# KiCad board VLT.kicad_pcb (continued)
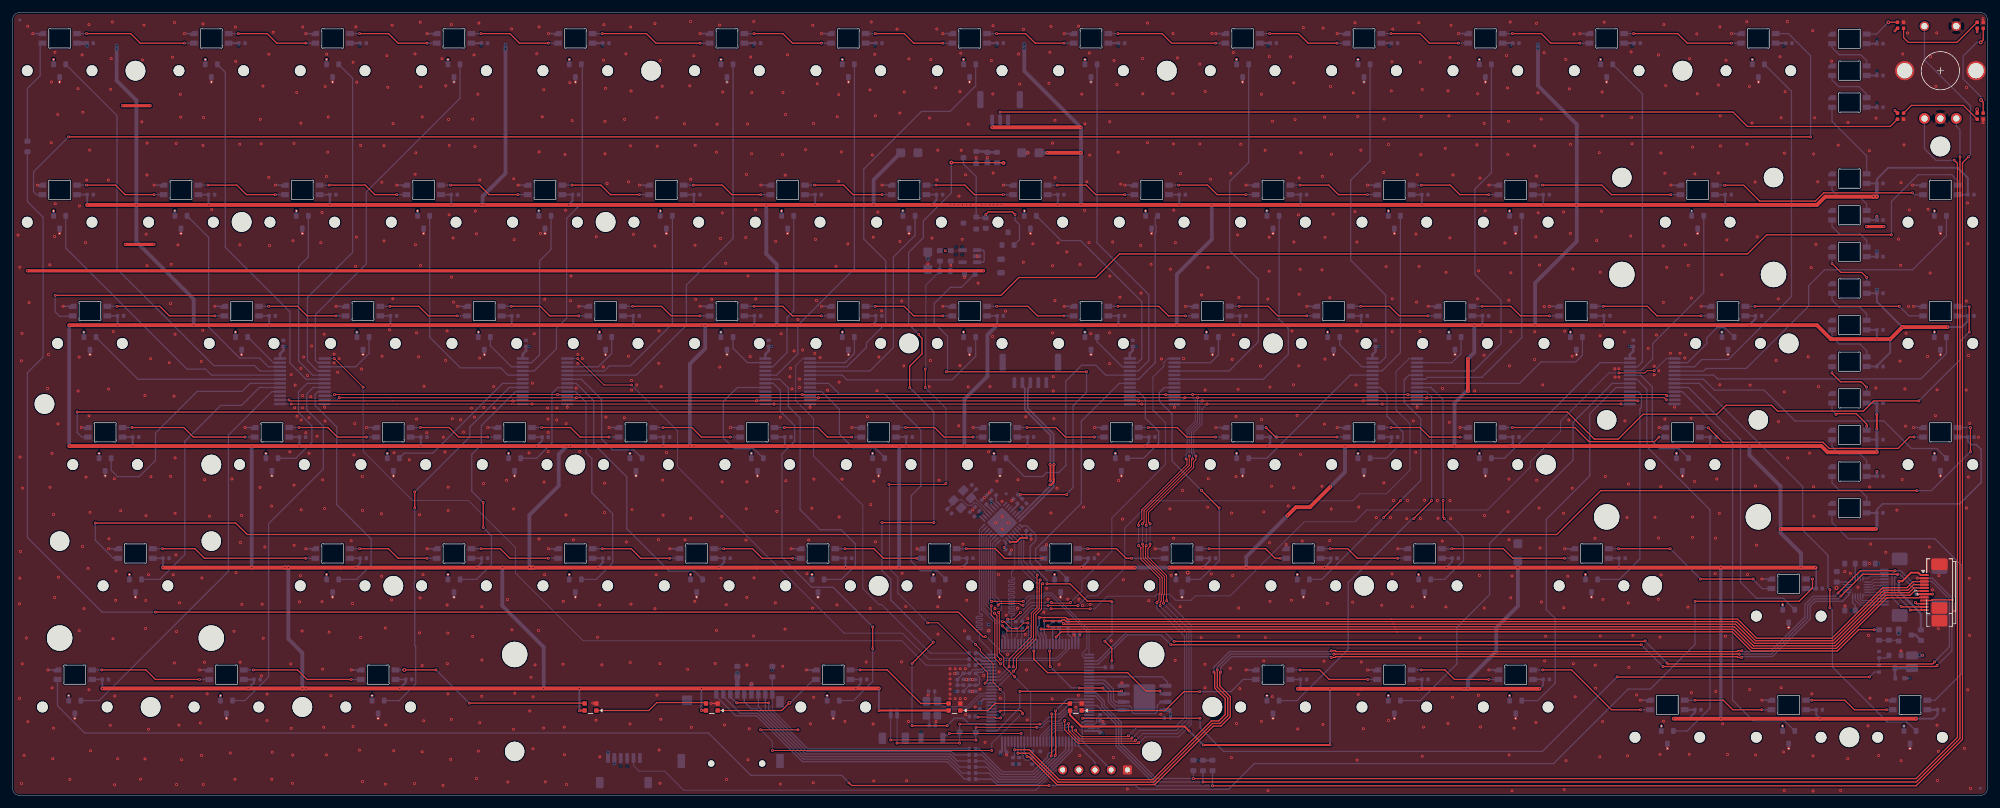
[diagram p0: board, top side]
## Routing (per net, layer and track width the routed paths; a pad name or vN(x,y) marks a point on that pad's centre or on a via; arc(x,y) is an arc through that point) (continued)
/MUX_COM6: length 122
  Top w0.15: v1(257.71,66.74) 256.61,66.74 256.26,66.39 v1(252.16,66.39) ; v1(163.02,29.31) v1(169.16,29.31)
  Bottom w0.15: v1(252.16,66.39) 250.61,66.39 243.01,58.79 243.01,57.19 238.26,52.44 238.26,51.6 231.5,44.84 212.59,44.84 210.74,42.99 202.77,42.99 191.13,31.35 185.67,31.35 184.97,30.65 182.6,30.65 181.66,31.59 179.66,31.59 179.36,31.29 171.84,31.29 169.87,29.31 v1(169.16,29.31) ; v1(163.02,29.31) 162.75,29.31 160.09,29.31 158.49,27.71 R21.2 ; M6.1 259.62,68.65 v1(257.71,66.74)
/MUX_S0: length 301
  Top w0.15: v1(184.21,52.86) 184.36,52.72 184.36,51.99 177.26,44.89 177.26,43.39 176.76,42.89 v1(176.76,42.44) ; v1(259.7,62.8) 259.51,62.99 v1(219.01,62.99) v1(181.01,62.99) v1(85.51,62.99) 58.41,62.99 58.66,62.99 v1(50.51,62.99) ; v1(166.89,10.24) 166.89,10.11 167.79,9.21 175.24,9.21 175.26,9.24 175.26,9.26 v1(175.16,9.36) ; v1(176.76,39.24) 177.11,38.89 177.11,38.88 177.11,37.09 180.11,34.09 180.11,31.82 179.96,31.67 179.96,30.69 179.64,30.36 v1(179.64,30.29)
  Bottom w0.15: v1(184.21,52.86) 184.21,53.13 184.21,53.13 184.21,53.54 184.36,53.69 184.36,57.48 185.66,58.78 185.66,62.13 185.26,62.53 v1(185.26,62.99) ; M5.10 219.2,62.8 v1(219.01,62.99) ; v1(85.51,62.99) 85.7,62.8 M2.10 ; v1(123.93,62.99) 124.12,62.8 M3.10 ; v1(166.89,10.24) 163.74,10.24 162.81,9.31 U3.85 ; v1(179.64,30.29) 179.63,30.28 179.63,29.32 183.96,24.99 183.96,12.18 182.41,10.64 176.44,10.64 v1(175.16,9.36) ; v1(259.7,62.8) M6.10 ; M1.10 50.32,62.8 v1(50.51,62.99) ; v1(176.76,42.44) v1(176.76,39.24) ; M4.10 181.21,62.79 v1(181.01,62.99)
/MUX_S1: length 302
  Top w0.15: v1(166.34,10.76) 166.34,10.08 167.56,8.86 175.66,8.86 175.81,9.01 ; v1(177.36,39.49) 177.46,39.39 177.46,39.03 177.46,37.23 180.46,34.24 180.46,31.68 180.31,31.53 180.31,30.54 180.16,30.39 180.16,29.79 v1(180.15,29.79) ; v1(184.71,53.34) 184.71,51.83 184.56,51.69 184.56,51.69 177.61,44.74 177.61,42.94 v1(177.36,42.69) ; v1(51.26,62.49) v1(88.51,62.49) v1(184.01,62.49) v1(186.01,62.49) v1(222.01,62.49) 259.26,62.49 v1(259.6,62.15)
  Bottom w0.15: v1(51.26,62.49) 50.92,62.15 M1.11 ; v1(180.15,29.79) 180.15,29.71 184.31,25.55 184.31,11.83 182.67,10.19 176.99,10.19 175.81,9.01 ; v1(259.6,62.15) M6.11 ; v1(184.01,62.49) 183.67,62.14 M4.11 ; M2.11 88.17,62.15 v1(88.51,62.49) ; v1(222.01,62.49) 221.67,62.15 M5.11 ; v1(166.34,10.76) 165.97,10.76 165.97,10.76 165.56,10.76 165.38,10.59 163.59,10.59 162.31,9.31 U3.86 ; M3.11 126.16,62.15 v1(126.5,62.49) ; v1(186.01,62.49) 186.01,58.63 184.71,57.33 v1(184.71,53.34) ; v1(177.36,39.49) v1(177.36,42.69)
  vias: v1(175.71,9.01)
/MUX_S2: length 305.5
  Top w0.15: v1(185.21,52.89) 185.06,52.74 185.06,51.69 177.96,44.59 v1(177.96,42.44) ; v1(43.35,62.15) 43.51,61.99 v1(78.51,61.99) v1(116.76,61.99) v1(176.76,61.99) v1(186.76,61.99) v1(212.01,61.99) v1(255.16,61.99) ; v1(165.76,11.26) 165.76,10.16 165.99,9.94 165.99,9.93 167.41,8.51 176.29,8.51 176.36,8.57 176.36,8.66 ; v1(180.66,30.19) 180.66,31.38 180.81,31.53 180.81,34.38 177.86,37.33 177.86,39.14 v1(177.96,39.24)
  Bottom w0.15: v1(186.76,61.99) 186.36,61.59 186.36,58.49 185.06,57.19 185.06,53.69 185.21,53.54 185.21,52.89 v1(185.21,52.89) ; v1(255.16,61.99) 255,62.15 M6.14 ; v1(116.76,61.99) 116.92,62.15 M3.14 ; U3.87 161.81,9.31 163.45,10.94 165.24,10.94 165.41,11.11 165.61,11.11 v1(165.76,11.26) ; M4.14 176.61,62.14 v1(176.76,61.99) ; M5.14 212.17,62.15 v1(212.01,61.99) ; M2.14 78.92,62.15 78.76,61.99 v1(78.51,61.99) ; v1(177.96,42.44) v1(177.96,39.24) ; v1(180.66,30.19) 180.66,30.11 184.66,26.11 184.66,11.47 182.88,9.69 177.38,9.69 176.36,8.66 ; v1(43.35,62.15) M1.14
  vias: v1(176.26,8.66)
/MUX_S3: length 305
  Top w0.15: v1(178.56,39.49) 178.56,39.13 178.21,38.78 178.21,37.48 181.16,34.53 181.16,30.6 v1(181.18,30.58) ; v1(165.16,11.76) 165.16,10.29 165.41,10.04 165.41,10.02 165.64,9.79 165.64,9.79 167.26,8.16 175.46,8.16 176.56,8.16 176.73,8.32 176.88,8.18 176.88,8.27 ; v1(185.76,53.34) 185.76,52.73 185.41,52.38 185.41,51.54 178.31,44.44 178.31,42.94 v1(178.56,42.69) ; v1(43.72,61.49) 78.3,61.49 v1(81.51,61.49) v1(119.51,61.49) v1(177.26,61.49) v1(187.51,61.49) v1(215.01,61.49) v1(252.51,61.49)
  Bottom w0.15: v1(178.56,42.69) v1(178.56,39.49) ; v1(43.72,61.49) 43.71,61.5 M1.13 ; 185.71,53.32 185.56,53.47 185.56,53.69 185.41,53.84 185.41,57.04 186.71,58.34 186.71,60.69 v1(187.51,61.49) ; M6.13 252.86,61.5 252.85,61.49 v1(252.51,61.49) ; 175.39,61.49 v1(177.26,61.49) ; M3.13 119.5,61.5 v1(119.51,61.49) ; v1(81.51,61.49) 80.07,61.49 ; U3.88 161.31,9.3 163.3,11.29 164.69,11.29 v1(165.16,11.76) ; v1(181.18,30.58) 181.18,30.54 185.01,26.71 185.01,11.14 183.06,9.19 177.8,9.19 176.88,8.27 ; v1(215.01,61.49) 215,61.5 M5.13
  vias: v1(176.78,8.27)
/NRST: length 105.2
  Top w0.15: v1(151.54,12.26) 151.57,12.3 154.2,12.3 154.39,12.11 155.02,12.11 155.07,12.15 v1(155.1,12.15) ; v1(151.15,23.72) 151.91,22.96 151.91,22.66 153.91,20.66 153.91,17.76 v1(155.06,16.61)
  In1.Cu w0.15: v1(155.1,12.15) 155.1,12 163.11,3.99 164.55,3.99
  Bottom w0.15: v1(151.15,23.72) 150.66,24.21 150.59,24.21 TP3.1 ; U3.14 v1(155.06,16.61) 155.71,15.96 155.71,12.77 v1(155.1,12.15) ; C27.2 151.41,12.39 v1(151.54,12.26) ; J7.2 97.46,4.69 98.36,3.79 102.36,3.79 105.36,0.79 160.6,0.79 163.8,3.99 J2.5
/NTC: length 86
  Top w0.15: v1(152.65,17.61) 153.06,18.03 153.06,19.31 145.26,27.11 v1(143.64,27.11) ; v1(146.51,49.01) 146.36,48.86 v1(137.56,48.86) ; v1(143.26,66.99) v1(143.26,64.09)
  Bottom w0.15: v1(143.26,64.09) 146.54,60.81 146.54,49.04 v1(146.51,49.01) ; v1(143.26,66.99) 143.36,67.09 143.36,80.19 145.54,82.36 ; v1(143.64,27.11) 138.96,31.79 138.96,34.29 137.66,35.59 137.66,48.76 v1(137.56,48.86)
  Bottom w0.2: R29.2 145.56,82.41 ; U3.16 v1(152.65,17.61)
/QSPI_CLK: length 25.6
  Top w0.2: v1(180.11,16.39) 177.91,16.39 175.04,19.26 162.47,19.26 160.31,21.42 v1(160.31,22.69)
  Bottom w0.2: v1(180.11,16.39) 180.55,15.95 U2.6 ; v1(160.31,22.69) U3.36
/QSPI_CS: length 18.4
  Top w0.2: v1(162.79,22.69) 162.81,22.66 162.81,20.31 v1(162.89,20.23) ; v1(167.44,16.89) 167.46,16.86 v1(171.17,16.86)
  Bottom w0.2: U2.1 173.31,13.41 172.01,14.71 172.01,16.06 171.21,16.86 v1(171.17,16.86) ; U3.41 162.79,23.76 v1(162.79,22.69) ; v1(167.44,16.89) 166.23,16.89 v1(162.89,20.23)
/QSPI_IO0: length 13.2
  Bottom w0.2: U2.5 181.28,17.8 180.46,18.61 168.99,18.61
/QSPI_IO1: length 7.5
  Bottom w0.2: 168.99,18.11 171.36,18.11 172.81,16.66 172.81,15.04 173.17,14.68 U2.2
/QSPI_IO2: length 25
  Top w0.2: v1(174.1,16.39) 174.05,16.34 v1(158.11,16.34)
  Bottom w0.2: U3.1 154.49,10.11 158.11,13.74 v1(158.11,16.34) ; v1(174.1,16.39) U2.3
/QSPI_IO3: length 16.7
  Bottom w0.2: U2.7 180.25,14.68 179.69,14.11 179.69,13.18 179.37,12.86 176,12.86 175.66,13.2 175.66,13.71 175.32,14.05 173.23,14.05 172.41,14.87 172.41,16.36 171.16,17.61 168.99,17.61
/R:E12: length 2.6
  Bottom w0.2: U3.42 163.26,23.84 163.26,26.25 R6.1
/R:E14: length 2.6
  Bottom w0.2: R8.1 164.36,26.25 164.36,23.84 U3.44
/RGB_GATE: length 130
  Top w0.2: v1(144.54,24.06) v1(141.19,20.71) ; v3(155.56,99.39) 155.51,99.44 v3(147.36,99.44) ; v1(146.71,10.94) v1(141.19,10.94) ; v1(144.61,42.86) v1(136.46,42.86) ; v1(142.24,72.46) 142.24,72.36 142.76,71.83 142.76,69.39 140.81,67.44 140.81,64.09 v1(140.84,64.06)
  Bottom w0.2: v1(142.24,72.46) 140.66,74.03 140.66,85.34 142.96,87.64 142.96,90.29 147.36,94.69 v3(147.36,99.44) ; v1(141.19,10.94) v1(141.19,20.71) ; U3.3 152.8,11.11 152.65,11.26 150.11,11.26 149.26,12.11 147.89,12.11 v1(146.71,10.94) ; v1(144.54,24.06) 144.49,24.06 137.86,30.69 137.86,33.94 136.46,35.34 v1(136.46,42.86) ; v3(155.56,99.39) 154.54,99.39 ; v1(144.61,42.86) 144.61,60.29 v1(140.84,64.06)
/S.CLK: length 40.8
  Bottom w0.2: R32.2 148.68,4.44 147.03,6.08 124.32,6.08 116.79,13.61 115.94,13.61 114.86,14.69 SD1.5
/S.CMD: length 42
  Top w0.2: v1(118.69,14.54) v1(113.66,14.54)
  Bottom w0.2: v1(118.69,14.54) 118.69,13.41 124.8,7.3 R31.2 ; v1(113.66,14.54) 113.61,14.54 112.66,15.49 SD1.3
/S.D0: length 38.7
  Bottom w0.2: R33.2 148.3,5.39 147.2,6.49 124.48,6.49 117.06,13.9 SD1.7
/S.D1: length 37.5
  Bottom w0.2: SD1.8 118.16,14.76 118.16,13.37 124.65,6.89 147.36,6.89 147.9,6.35 R34.1
/S.D2: length 45.5
  Bottom w0.2: SD1.1 110.46,15.54 113.51,12.49 116.78,12.49 123.98,5.28 146.7,5.28 149.44,2.54 R35.1
/S.D3: length 44
  Bottom w0.2: R30.2 149.06,3.49 146.87,5.68 124.15,5.68 116.95,12.89 114.21,12.89 111.56,15.54 SD1.2
/SD_CARD: length 68.1
  Top w0.15: v1(153.71,7.04) v1(119.26,7.04) ; v1(117.39,10.29) v1(123.29,10.29)
  Top w0.2: v1(158.56,12.8) 158.56,12.96 158.2,13.33 155.1,13.33 v1(154.99,13.21)
  Bottom w0.15: SD1.CD1 119.26,13.41 122.38,10.29 v1(123.29,10.29) ; v1(119.26,7.04) 119.26,8.46 117.44,10.29 v1(117.39,10.29) ; v1(153.71,7.04) 153.71,8.14 158.38,12.8 v1(158.56,12.8)
  Bottom w0.2: SD1.CD1 R12.1 ; v1(154.99,13.21) 154.94,13.16 153.69,13.16 U3.7
/SD_CLK: length 18
  Bottom w0.2: U3.80 165.31,7.16 160.63,2.48 154.86,2.48 152.91,4.44 151.37,4.44
/SD_CMD: length 16.7
  Bottom w0.2: U3.83 163.81,7.44 163.08,6.71 162.8,6.71 162.49,6.4 162.49,6.05 160.13,3.69 155.36,3.69 151.75,7.3 151.37,7.3
/SD_D0: length 28
  Top w0.2: v1(163.72,13.29) 163.72,12.48 163.72,7.71 163.75,7.67 163.75,6.34 v1(163.66,6.26)
  Bottom w0.2: 151.37,5.39 152.53,5.39 155.03,2.89 160.47,2.89 163.72,6.14 163.72,6.2 v1(163.66,6.26) ; v1(163.72,13.29) 165.54,15.11 168.99,15.11
/SD_D1: length 27.6
  Top w0.2: v1(163.02,6.18) 163.1,6.27 163.1,6.83 163.11,6.84 v1(163.11,12.79)
  Bottom w0.2: 168.99,14.61 166.19,14.61 164.34,12.76 163.14,12.76 v1(163.11,12.79) ; v1(163.02,6.18) 163.1,6.09 163.1,6.09 160.3,3.29 155.2,3.29 152.14,6.35 151.37,6.35
/SD_D2: length 18.9
  Bottom w0.2: U3.78 166.31,7.03 160.96,1.68 154.53,1.68 153.68,2.54 151.37,2.54
/SD_D3: length 18.4
  Bottom w0.2: U3.79 165.81,7.1 160.8,2.08 154.7,2.08 153.29,3.49 151.37,3.49
/sensors/HE1_Esc: length 67.7
  Bottom w0.2: HE1.2 16.36,106.84 16.36,82.74 31.56,67.54 37.96,67.54 38.8,66.7 M1.21
/sensors/HE2_F1: length 58.2
  Bottom w0.2: M1.6 46.05,65.4 43.51,67.94 43.51,75.99 33.37,86.13 33.37,113.64 HE2.2
/sensors/HE3_F2: length 53.8
  Bottom w0.2: M1.4 47.85,66.7 46.26,68.29 46.26,78.24 53.36,85.34 53.36,112.7 HE3.2
/sensors/HE4_F3: length 57.5
  Bottom w0.2: HE4.2 70.23,109.55 55.51,94.84 55.51,83.54 47.51,75.54 47.51,68.34 47.85,68 M1.2
/sensors/HE5_F4: length 53
  Bottom w0.2: M2.21 81.87,66.7 85.36,70.19 85.36,73.39 86.96,74.99 86.96,90.69 89.42,93.15 89.42,114.74
/sensors/HE6_F5: length 66
  Bottom w0.2: HE6.2 113.09,87.51 105.76,80.19 105.76,73.89 97.92,66.05 M2.5
/sensors/HE7_F6: length 55.7
  Bottom w0.2: HE7.2 132.14,82.76 126.76,77.38 126.74,77.38 126.44,77.07 126.44,77.06 123.26,73.89 123.26,69.39 119.92,66.05 M3.20
/sensors/HE8_F7: length 67.2
  Bottom w0.2: M3.3 130.96,67.35 134.03,70.42 134.03,71.11 137.06,74.14 137.06,83.99 133.61,87.44 133.61,98.44 142.66,107.49 147.16,107.49 151.19,111.51 HE8.2
/sensors/HE9_F8: length 53.6
  Bottom w0.2: M4.21 176.72,66.69 178.36,68.34 178.36,78.69 170.24,86.81 HE9.2
/sensors/HE10_F9: length 61.8
  Bottom w0.2: HE10.2 194.05,99.47 191.06,96.49 191.06,85.59 195.56,81.09 195.56,71.29 190.97,66.69 M4.4
/sensors/HE11_F10: length 52
  Bottom w0.2: HE11.2 213.1,99.72 210.06,96.69 210.06,84.09 215.56,78.59 215.56,68.89 214.67,68 M5.23
/sensors/HE12_F11: length 61.6
  Bottom w0.2: M5.4 229.37,66.7 233.66,70.99 233.66,77.79 229.56,81.89 229.56,95.29 232.15,97.87 HE12.2
/sensors/HE13_F12: length 51
  Bottom w0.2: M6.22 255.07,67.35 255.86,68.14 255.86,110.22 HE13.2
/sensors/HE14_Del: length 61.2
  Bottom w0.2: HE14.2 279.26,110.64 279.26,78.39 269.36,68.49 265.16,68.49 264.02,67.35 M6.3
/sensors/HE15_Grave: length 47
  Bottom w0.2: M1.20 31.2,66.05 30.26,66.99 27.36,66.99 8.31,86.04 HE15.2
/sensors/HE16_1: length 32.7
  Bottom w0.2: M1.22 40.15,67.35 38.79,68.71 35.64,68.71 30.76,73.59 30.76,87.67 HE16.2
/sensors/HE17_2: length 28.4
  Bottom w0.2: HE17.2 46.41,84.64 44.89,83.11 44.89,68.26 47.1,66.05 M1.5
/sensors/HE18_3: length 36.1
  Bottom w0.2: M2.20 77.75,66.05 76.61,67.19 70.26,67.19 65.46,71.99 HE18.2
/sensors/HE19_4: length 25.7
  Bottom w0.2: HE19.2 84.51,85.79 82.71,83.99 82.71,69.24 81.47,68 M2.23
/sensors/HE20_5: length 36.5
  Bottom w0.2: M2.4 92.87,66.7 93.66,67.49 96.94,67.49 103.56,74.11 HE20.2
/sensors/HE21_6: length 26.3
  Bottom w0.2: HE21.2 122.61,76.14 121.56,75.09 121.56,69.59 119.32,67.35 M3.22
/sensors/HE22_7: length 36.7
  Bottom w0.2: M3.4 134.57,66.7 138.26,70.39 138.26,84.59 141.66,87.99 HE22.2
/sensors/HE23_8: length 33.3
  Bottom w0.2: M4.23 176.63,67.99 176.64,67.99 177.26,68.61 177.26,77.59 167.66,87.19 164.6,87.19 HE23.2
/sensors/HE24_9: length 28.4
  Bottom w0.2: HE24.2 179.36,90.67 179.36,89.7 179.49,89.57 179.49,88.58 179.36,88.45 179.36,67.99 176.77,65.39 M4.19
/sensors/HE25_0: length 41.9
  Bottom w0.2: M4.6 196.37,65.39 200.26,69.29 200.26,73.39 198.81,74.84 HE25.2
/sensors/HE26_Minus: length 27.1
  Bottom w0.2: HE26.2 217.86,69.59 214.97,66.7 M5.21
/sensors/HE27_Equals: length 38.3
  Bottom w0.2: M5.6 221.82,65.4 222.11,65.69 230.66,65.69 236.91,71.94 HE27.2
/sensors/HE28_Backspace: length 30.2
  Bottom w0.2: M6.21 255.57,66.7 257.46,68.59 257.46,70.99 265.49,79.01 HE28.2
/sensors/HE29_Home: length 56.5
  Bottom w0.2: M6.4 265.47,66.7 265.86,67.09 272.16,67.09 281.96,76.89 281.96,80.09 284.46,82.59 298.25,82.59 303.59,87.93 HE29.2
/sensors/HE30_Tab: length 31.6
  Bottom w0.2: M1.19 19.65,65.4 13.08,71.97
/sensors/HE31_Q: length 6.7
  Bottom w0.2: HE31.2 40.92,68 M1.23
/sensors/HE32_W: length 10.4
  Bottom w0.2: HE32.2 55.94,69.45 53.83,67.35 M1.3
/sensors/HE33_E: length 7.8
  Bottom w0.2: M2.22 78.3,67.35 74.99,70.66 74.99,72.02
/sensors/HE34_R: length 10.4
  Bottom w0.2: HE34.2 94.04,69.45 91.93,67.35 M2.3
/sensors/HE35_T: length 7.8
  Bottom w0.2: M3.23 115.35,68 113.09,70.26 HE35.2
/sensors/HE36_Y: length 10.2
  Bottom w0.2: M3.2 130.67,68 130.81,68.14 130.82,68.14 132.14,69.45 HE36.2
/sensors/HE37_U: length 30.9
  Bottom w0.2: HE37.2 151.19,69.01 147.46,65.29 130.96,65.29 130.2,66.05 M3.5
/sensors/HE38_I: length 7.5
  Bottom w0.2: M4.22 174.18,67.34 170.24,71.28 HE38.2
/sensors/HE39_O: length 10.2
  Bottom w0.2: HE39.2 189.29,69.21 188.07,67.99 M4.2
/sensors/HE40_P: length 7.8
  Bottom w0.2: HE40.2 208.34,70.81 211.8,67.35 M5.22
/sensors/HE41_LeftBracket: length 10.1
  Bottom w0.2: HE41.2 227.39,69.45 225.92,67.99 221.86,67.99 221.85,68 M5.2
/sensors/HE42_RightBracket: length 30.6
  Bottom w0.2: HE42.2 246.44,69.16 245.39,68.11 239.94,68.11 236.57,64.75 M5.7
/sensors/HE43_Backslash: length 12.8
  Bottom w0.2: M6.2 262.25,68 262.26,67.99 262.93,67.99 265.96,71.02 265.96,71.89 267.56,73.49 268.79,73.49 HE43.2
/sensors/HE44_PgUp: length 47.2
  Bottom w0.2: HE44.2 303.59,69.45 299.58,65.44 267.66,65.44 267.06,66.05 M6.5
/sensors/HE45_CapsLock: length 37.4
  Bottom w0.2: M1.18 37.27,64.75 36.01,63.49 28.96,63.49 22.41,56.94 22.41,52.64 19.86,50.09 16.44,50.09 15.46,51.07 HE45.2
/sensors/HE46_A: length 19.8
  Bottom w0.2: HE46.2 44.45,52.97 46.96,55.49 46.96,58.06 44.86,60.16 44.86,63.39 46.22,64.75 M1.7
/sensors/HE47_S: length 24.2
  Bottom w0.2: 60.7,53.02 61.46,53.79 65.96,53.79 76.92,64.75 M2.18
/sensors/HE48_D: length 16.5
  Bottom w0.2: M2.8 85.56,64.1 84.66,63.19 84.66,55.39 82.25,52.97 HE48.2
/sensors/HE49_F: length 20.5
  Bottom w0.2: HE49.2 97.49,54.29 94.16,54.29 92.46,55.99 92.46,62.19 89.25,65.4 M2.6
/sensors/HE50_G: length 20.8
  Bottom w0.2: M3.17 113.77,64.1 111.56,61.89 111.56,56.19 113.26,54.49 116.34,54.49 HE50.2
/sensors/HE51_H: length 18.3
  Bottom w0.2: 136.9,53.07 135.41,54.56 131.99,54.56 129.79,56.76 129.79,60.66 127,63.45 M3.9
/sensors/HE52_J: length 36.3
  Bottom w0.2: HE52.2 158.82,50.11 161.71,50.11 162.34,50.74 164.22,50.74 165.34,51.85 165.34,65.1 167.83,67.6 170.05,67.6 171.61,66.04 M4.20
/sensors/HE53_K: length 16.6
  Bottom w0.2: M4.16 176.71,63.44 177.81,62.34 177.81,59.29 179.91,57.19 179.91,55.34 177.55,52.97 HE53.2
/sensors/HE54_L: length 24.8
  Bottom w0.2: M5.20 209.97,66.05 196.9,52.97 HE54.2
/sensors/HE55_Semicolon: length 17.4
  Bottom w0.2: M5.17 214.65,64.1 215.76,62.99 215.76,59.59 218.26,57.09 218.26,55.59 215.65,52.97 HE55.2
/sensors/HE56_Quote: length 28
  Bottom w0.2: HE56.2 234.2,52.97 249.22,68 M6.23
/sensors/HE57_Enter: length 19.6
  Bottom w0.2: 263.11,52.99 261.61,54.49 258.56,54.49 257.4,55.65 257.4,64.2 255.55,66.05 M6.20
/sensors/HE58_PgDn: length 47.8
  Bottom w0.2: M6.6 265.45,65.4 267.16,63.69 274.96,63.69 279.81,58.84 293.76,58.84 298.09,54.51 302.06,54.51 HE58.2
/sensors/HE59_ShiftL: length 44.7
  Bottom w0.2: HE59.2 23.1,33.92 27.01,37.84 27.01,55.64 32.66,61.28 35.94,61.28 38.75,64.1 M1.17
/sensors/HE60_Z: length 38.2
  Bottom w0.2: HE60.2 54,33.92 56.26,36.19 56.26,40.29 50.86,45.69 50.86,57.89 47.46,61.29 47.46,62.99 47.92,63.45 M1.9
/sensors/HE61_X: length 38.4
  Top w0.2: v1(73.86,46.04) v1(73.86,42.09)
  Bottom w0.2: v1(73.86,42.09) 75.16,40.79 75.16,36.29 72.8,33.92 HE61.2 ; M2.16 78.92,63.45 73.56,58.09 73.56,55.09 72.06,53.59 72.06,47.79 73.81,46.04 v1(73.86,46.04)
/sensors/HE62_C: length 36.6
  Bottom w0.2: HE62.2 91.6,33.92 94.19,36.51 94.19,44.26 90.91,47.54 90.91,52.94 90.01,53.84 90.01,61.79 88.35,63.45 M2.9
/sensors/HE63_V: length 42.8
  Bottom w0.2: HE63.2 107.01,35.24 103.06,35.24 96.41,41.89 96.41,50.04 91.21,55.24 91.21,61.99 88.45,64.75 M2.7
/sensors/HE64_B: length 44.2
  Bottom w0.2: M3.19 120.4,65.4 121.76,64.04 121.76,61.14 123.61,59.29 123.61,44.89 126.76,41.74 130.06,41.74 132.29,39.51 132.29,36.11 130.1,33.92 HE64.2
/sensors/HE65_N: length 48.3
  Bottom w0.2: HE65.2 146.43,34.02 145.16,35.29 142.56,35.29 141.06,36.79 141.06,47.09 142.56,48.59 142.56,57.39 136.91,63.04 129.81,63.04 128.1,64.75 M3.7
/sensors/HE66_M: length 41
  Bottom w0.2: M4.18 173.72,64.74 167.76,58.79 167.76,45.89 160.59,38.71 160.59,36.96 162.23,35.32 164.26,35.32 165.48,34.11
/sensors/HE67_Comma: length 39.2
  Top w0.2: v1(189.41,45.14) v1(186.61,47.94)
  Bottom w0.2: v1(186.61,47.94) 182.01,52.54 182.01,59.94 180,61.95 180,63.29 180.81,64.09 M4.8 ; HE67.2 186.46,33.92 189.44,36.9 189.44,45.11 v1(189.41,45.14)
/sensors/HE68_Period: length 43.2
  Top w0.2: v1(217.91,46.34) 215.23,43.65 v1(215.23,43.64)
  Bottom w0.2: v1(215.23,43.64) 205.51,33.92 HE68.2 ; M5.5 219.22,66.05 218.46,65.29 218.46,61.79 221.06,59.19 221.06,49.49 v1(217.91,46.34)
/sensors/HE69_Slash: length 37.9
  Top w0.2: v1(224.76,43.49) 224.56,43.69 v1(224.56,46.34)
  Bottom w0.2: v1(224.56,46.34) 224.56,62.19 222.65,64.1 M5.8 ; v1(224.76,43.49) 227.76,40.49 227.76,36.89 224.8,33.92 HE69.2
/sensors/HE70_ShiftR: length 35.9
  Bottom w0.2: HE70.2 252.25,33.92 255.46,37.14 255.46,60.69 255.69,60.91 255.69,62.96 255.2,63.45 M6.16
/sensors/HE71_ArrowUp: length 46.5
  Bottom w0.2: M6.8 263.09,64.1 271.26,55.93 271.26,33.49 273.78,30.97 277.97,30.97 HE71.2
/sensors/HE72_CtrlL: length 63.9
  Bottom w0.2: M1.16 40.69,63.45 33.86,56.62 33.86,35.19 13.55,14.87 HE72.2
/sensors/HE73_Win: length 59.5
  Bottom w0.2: HE73.2 36.44,14.87 40.16,18.59 40.16,42.69 48.76,51.29 48.76,57.99 46.16,60.59 46.16,63.09 47.17,64.1 M1.8
/sensors/HE74_AltL: length 61
  Top w0.2: v1(63.11,47.69) v1(63.11,45.19)
  Bottom w0.2: HE74.2 60.65,14.87 63.26,17.49 63.26,23.39 63.11,23.54 63.11,32.38 63.04,32.45 63.04,33.4 63.11,33.47 v1(63.11,45.19) ; v1(63.11,47.69) 71.76,56.34 71.76,57.89 77.97,64.1 M2.17
/sensors/HE75_Space: length 64.7
  Top w0.2: v1(135.01,23.04) v1(135.01,26.49)
  Bottom w0.2: M3.18 119.4,64.75 120.51,63.64 120.51,60.34 122.76,58.09 122.76,55.64 120.77,53.65 120.77,37.37 125.44,32.7 128.8,32.7 v1(135.01,26.49) ; HE75.2 132,14.87 135.01,17.89 v1(135.01,23.04)
/sensors/HE76_AltR: length 62
  Top w0.2: v1(222.76,46.34) 222.76,46.29 v1(219.96,43.49)
  Bottom w0.2: HE76.2 201.6,14.87 209.66,22.94 209.66,33.42 219.73,43.49 v1(219.96,43.49) ; M5.9 221.9,63.45 222.76,62.59 v1(222.76,46.34)
/sensors/HE77_Fn: length 68.2
  Bottom w0.2: M6.18 251.12,64.75 244.96,58.59 244.96,52.68 231.86,39.58 231.86,31.54 226.71,26.39 226.71,20.64 220.95,14.87 HE77.2
/sensors/HE78_CtrlR: length 60.1
  Bottom w0.2: M6.17 251.72,64.1 247.59,59.96 247.59,50.21 240.76,43.39 240.76,29.19 242.16,27.79 242.16,17.64 239.4,14.87 HE78.2
/sensors/HE79_ArrowLeft: length 64.8
  Bottom w0.2: M6.19 254.95,65.4 256.55,63.8 256.55,54.79 266.46,44.88 266.46,13.69 262.89,10.11 HE79.2
/sensors/HE80_ArrowDown: length 64.8
  Bottom w0.2: M6.9 262.1,63.45 270.01,55.54 270.01,14.94 273.26,11.69 278.2,11.69 HE80.2
/sensors/HE81_ArrowRight: length 74.4
  Top w0.2: v1(285.29,32.31) v1(285.29,29.49)
  Bottom w0.2: M6.7 264.78,64.75 281.03,48.5 281.03,41.67 284.99,37.71 284.99,32.61 v1(285.29,32.31) ; HE81.2 297.4,11.54 294.31,11.54 285.69,20.16 285.69,29.09 v1(285.29,29.49)
/SWCLK: length 85.2
  In1.Cu w0.2: v1(95.44,4.61) 95.91,5.09 96.71,5.09 97.01,4.78 97.01,4.6 100.8,0.81 167.69,0.81 169.92,3.05 J2.3
  Bottom w0.15: v1(95.44,4.61) 95.46,4.64 J7.4
  Bottom w0.2: U3.76 167.31,7.79 169.92,5.18 J2.3
/SWDIO: length 91
  In1.Cu w0.2: J2.2 168.89,0.41 100.64,0.41 v1(96.49,4.56)
  Bottom w0.15: J7.3 96.46,4.59 v1(96.49,4.56)
  Bottom w0.2: J2.2 167.89,8.56 167.89,11.35 168.15,11.61 168.99,11.61
/TFT_BL: length 13.8
  Top w0.3: v1(296.11,33.64) 296.66,33.64 298.01,34.99 299.16,34.99 299.54,34.61 J1.1
  Bottom w0.4: v1(296.11,33.64) 296.11,32.04 299.59,28.56 R9.2
/TFT_BL_GATE: length 133.3
  Top w0.2: 292.26,26.03 289.8,26.03 286.46,22.69 272.96,22.69 269.96,25.69 217.33,25.69 217.33,25.69 164.61,25.69 v1(163.81,24.89)
  Bottom w0.2: v1(163.81,24.89) U3.43
  Bottom w0.4: R11.1 v1(292.25,26.01)
/TFT_CLK: length 143.6
  Top w0.2: J1.6 298.56,32.11 297.89,31.44 294.08,31.44 286.13,23.49 273.29,23.49 270.29,26.49 217,26.49 217,26.49 162.62,26.49 v1(162.49,26.62)
  Bottom w0.2: R6.2 162.61,26.62 v1(162.49,26.62)
/TFT_CS: length 145.8
  Top w0.2: J1.8 299.36,31.11 299.28,31.04 294.25,31.04 286.3,23.09 273.13,23.09 270.13,26.09 217.16,26.09 161.49,26.09 v1(161.44,26.14)
  Top w0.3: 300.11,31.1 J1.8
  Bottom w0.2: v1(161.44,26.14) 161.44,25.31 161.81,24.94 U3.39
/TFT_DC: length 147
  Top w0.2: v1(161.96,27.41) 164.6,27.41 164.73,27.54 165.16,27.54 165.41,27.29 216.66,27.29 270.63,27.29 273.63,24.29 285.8,24.29 293.75,32.24 297.56,32.24 298.43,33.11 J1.4
  Bottom w0.2: v1(161.96,27.41) 161.96,26.94 161.96,26.94 161.96,26.36 161.96,25.35 162.21,25.1 162.21,24.72 162.26,24.67 162.26,23.84 U3.40
/TFT_MOSI: length 140.8
  Top w0.2: v1(164.94,27.01) 165.07,26.89 216.83,26.89 216.83,26.89 270.46,26.89 273.46,23.89 285.96,23.89 293.91,31.84 297.72,31.84 298.5,32.61 J1.5
  Bottom w0.2: v1(164.94,27.01) 164.64,27.32 R8.2
/TFT_RES: length 148.5
  Top w0.2: v1(161.16,27.94) 161.96,27.94 161.97,27.94 165.33,27.94 165.58,27.69 216.5,27.69 270.79,27.69 273.79,24.69 285.63,24.69 293.58,32.64 297.39,32.64 298.33,33.59 300.09,33.59 J1.3 300.08,33.57
  Bottom w0.2: v1(161.16,27.94) 161.16,26.71 160.91,26.46 160.91,25.92 160.91,25.92 160.91,25.24 161.31,24.84 U3.38
/UART_RX: length 38.4
  Top w0.15: v1(151.21,10.66) 151.24,10.69 v1(160.79,10.69) ; v1(151.24,8.66) 151.2,8.7 137.85,8.7 v1(137.84,8.69)
  Bottom w0.15: 151.2,10.63 151.21,10.64 v1(151.21,10.66) 151.2,10.65 TP2.1 151.2,8.7 v1(151.24,8.66) ; v1(137.84,8.69) J6.2 ; v1(160.79,10.69) 161.56,10.69 162.51,11.64 164.24,11.64 165.59,12.99 167.27,12.99 167.39,13.11 168.99,13.11
/UART_TX: length 38.8
  Top w0.15: v1(148.66,8.2) 148.65,8.21 138.88,8.21 138.86,8.2 v1(138.84,8.2) ; v1(161.29,11.19) v1(148.66,11.19)
  Bottom w0.15: v1(138.84,8.2) J6.1 ; 168.99,13.61 167.4,13.61 167.12,13.34 165.44,13.34 164.39,12.29 162.66,12.29 161.56,11.19 v1(161.29,11.19) ; v1(148.66,11.19) TP1.1 v1(148.66,8.2)
/ULPI_CLK: length 32.1
  Bottom w0.15: U5.14 157.31,39.79 157.31,35.64 156.81,35.14 156.81,34.32 arc(156.85,34.22) 156.95,34.18 157.17,34.18 arc(157.27,34.13) 157.31,34.04 157.31,33.97 arc(157.27,33.87) 157.17,33.83 156.45,33.83 arc(156.35,33.78) 156.31,33.69 156.31,33.62 arc(156.35,33.52) 156.45,33.48 157.17,33.48 arc(157.27,33.43) 157.31,33.34 157.31,33.27 arc(157.27,33.17) 157.17,33.13 156.45,33.13 arc(156.35,33.08) 156.31,32.99 156.31,32.92 arc(156.35,32.82) 156.45,32.78 157.17,32.78 arc(157.27,32.73) 157.31,32.64 157.31,32.57 arc(157.27,32.47) 157.17,32.43 156.45,32.43 arc(156.35,32.38) 156.31,32.29 156.31,32.22 arc(156.35,32.12) 156.45,32.08 157.17,32.08 arc(157.27,32.03) 157.31,31.94 157.31,31.87 arc(157.27,31.77) 157.17,31.73 156.45,31.73 arc(156.35,31.68) 156.31,31.59 156.31,31.52 arc(156.35,31.42) 156.45,31.38 157.17,31.38 arc(157.27,31.33) 157.31,31.24 157.31,31.17 arc(157.27,31.07) 157.17,31.03 156.45,31.03 arc(156.35,30.98) 156.31,30.89 156.31,30.82 arc(156.35,30.72) 156.45,30.68 157.17,30.68 arc(157.27,30.63) 157.31,30.54 157.31,30.47 arc(157.27,30.37) 157.17,30.33 156.45,30.33 arc(156.35,30.28) 156.31,30.19 156.31,30.12 arc(156.35,30.02) 156.45,29.98 157.17,29.98 arc(157.27,29.93) 157.31,29.84 157.31,29.77 arc(157.27,29.67) 157.17,29.63 156.45,29.63 arc(156.35,29.58) 156.31,29.49 156.31,29.42 arc(156.35,29.32) 156.45,29.28 157.17,29.28 arc(157.27,29.23) 157.31,29.14 157.31,29.07 arc(157.27,28.97) 157.17,28.93 156.45,28.93 arc(156.35,28.88) 156.31,28.79 156.31,28.72 arc(156.35,28.62) 156.45,28.58 157.17,28.58 arc(157.27,28.53) 157.31,28.44 157.31,28.37 arc(157.27,28.27) 157.17,28.23 156.95,28.23 arc(156.85,28.18) 156.81,28.09 156.81,23.84